# Altium PCB V2.PcbDoc
Units mm, origin at the board's own origin, x right, y up, seen from the top; angles counter-clockwise.
Board outline 54.06 x 30 mm, 4 copper layers (Top Layer, GND, VDD33, Bottom Layer), stack 0.568 mm thick; 59 components, 58 nets, 267 pads, 197 vias.
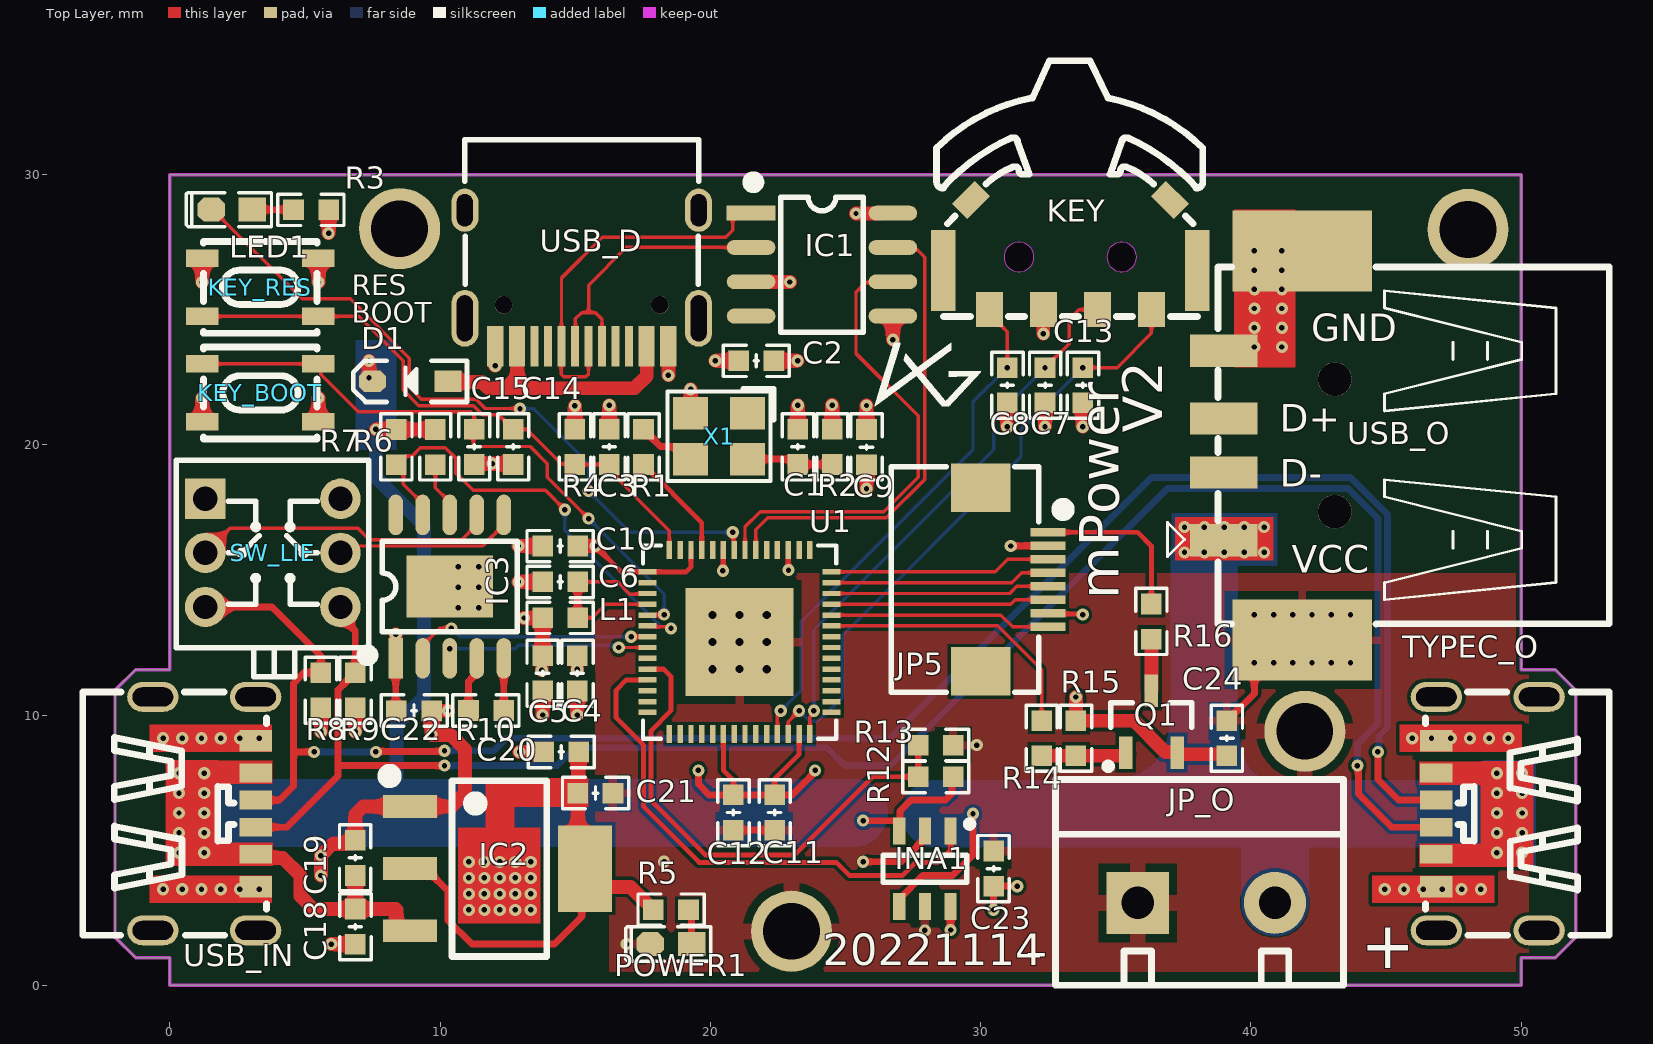
[diagram p0: Top Layer view]
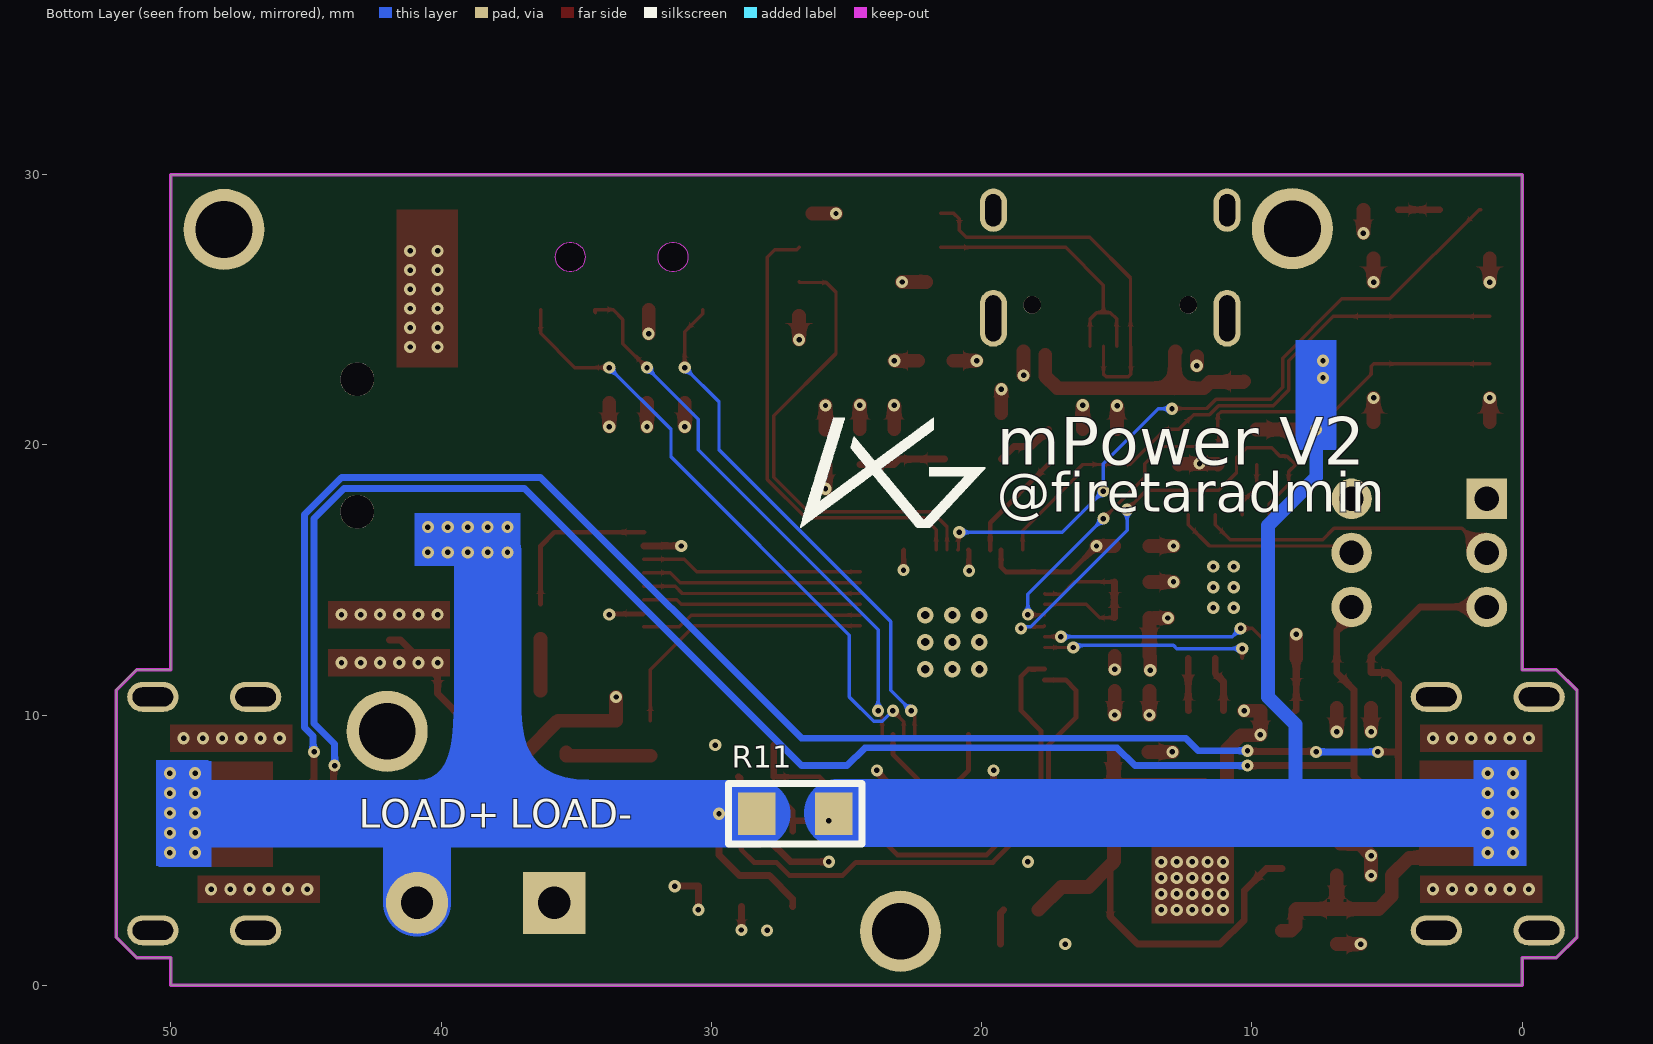
[diagram p1: Bottom Layer view, seen from below]
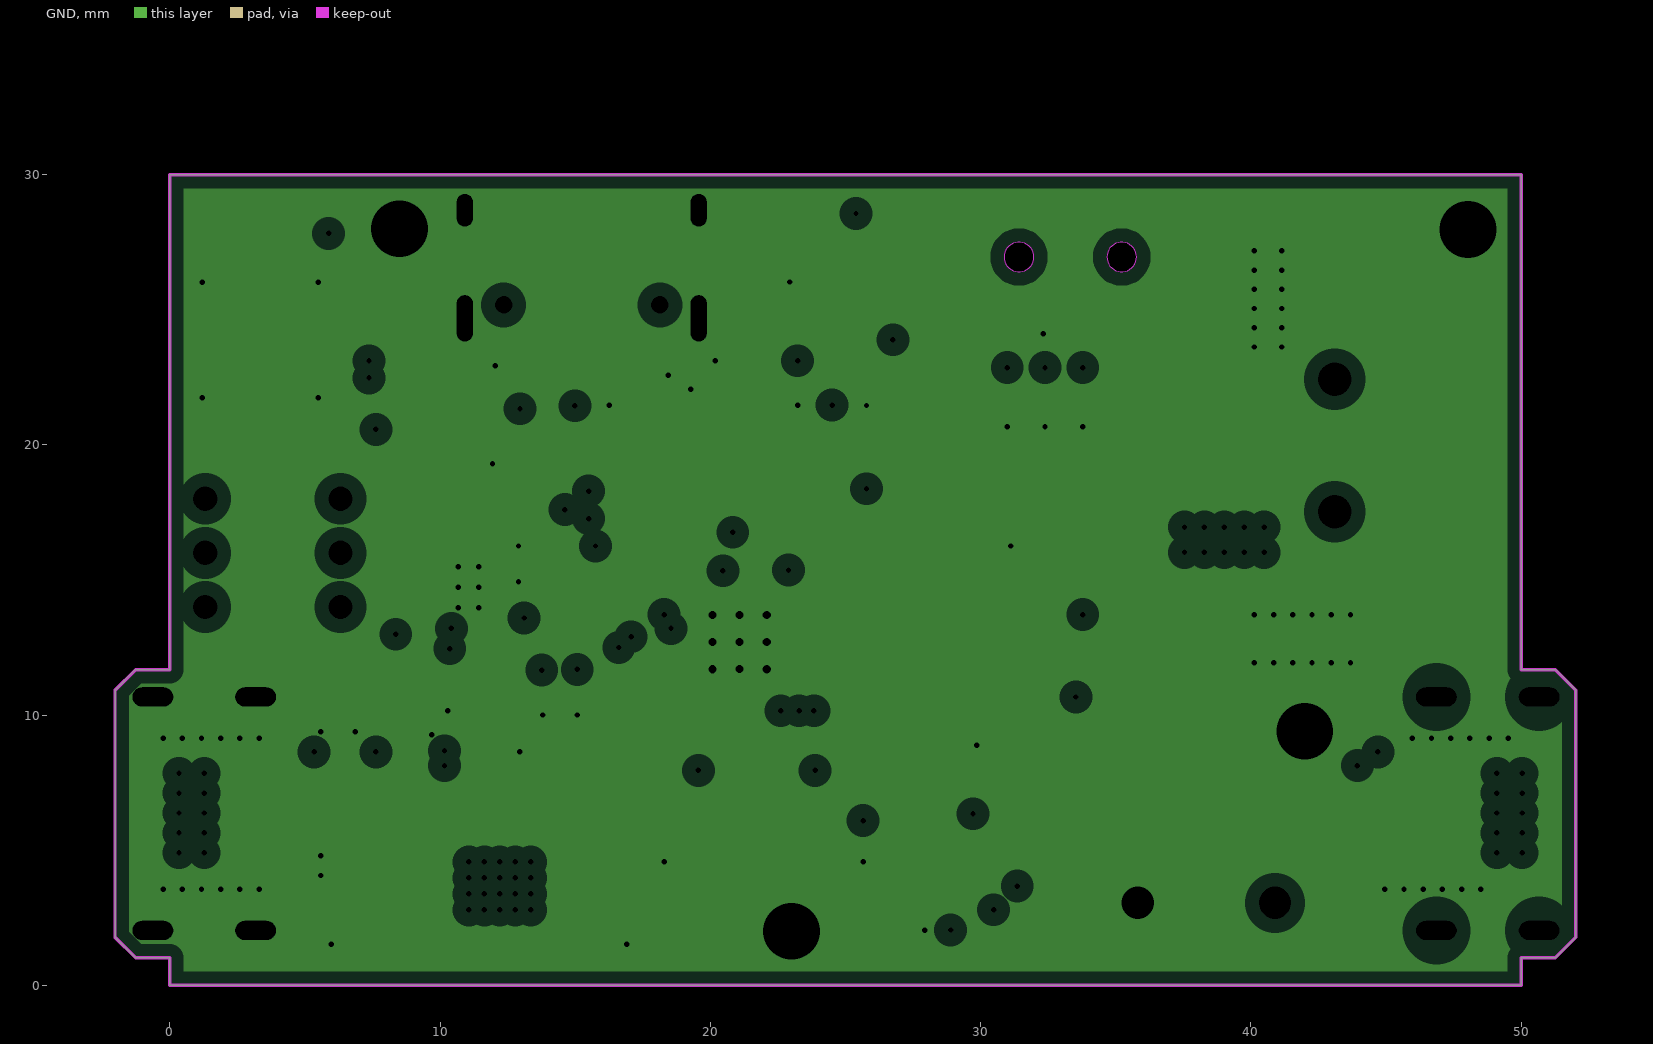
[diagram p2: GND, clearances drawn from the general rule]
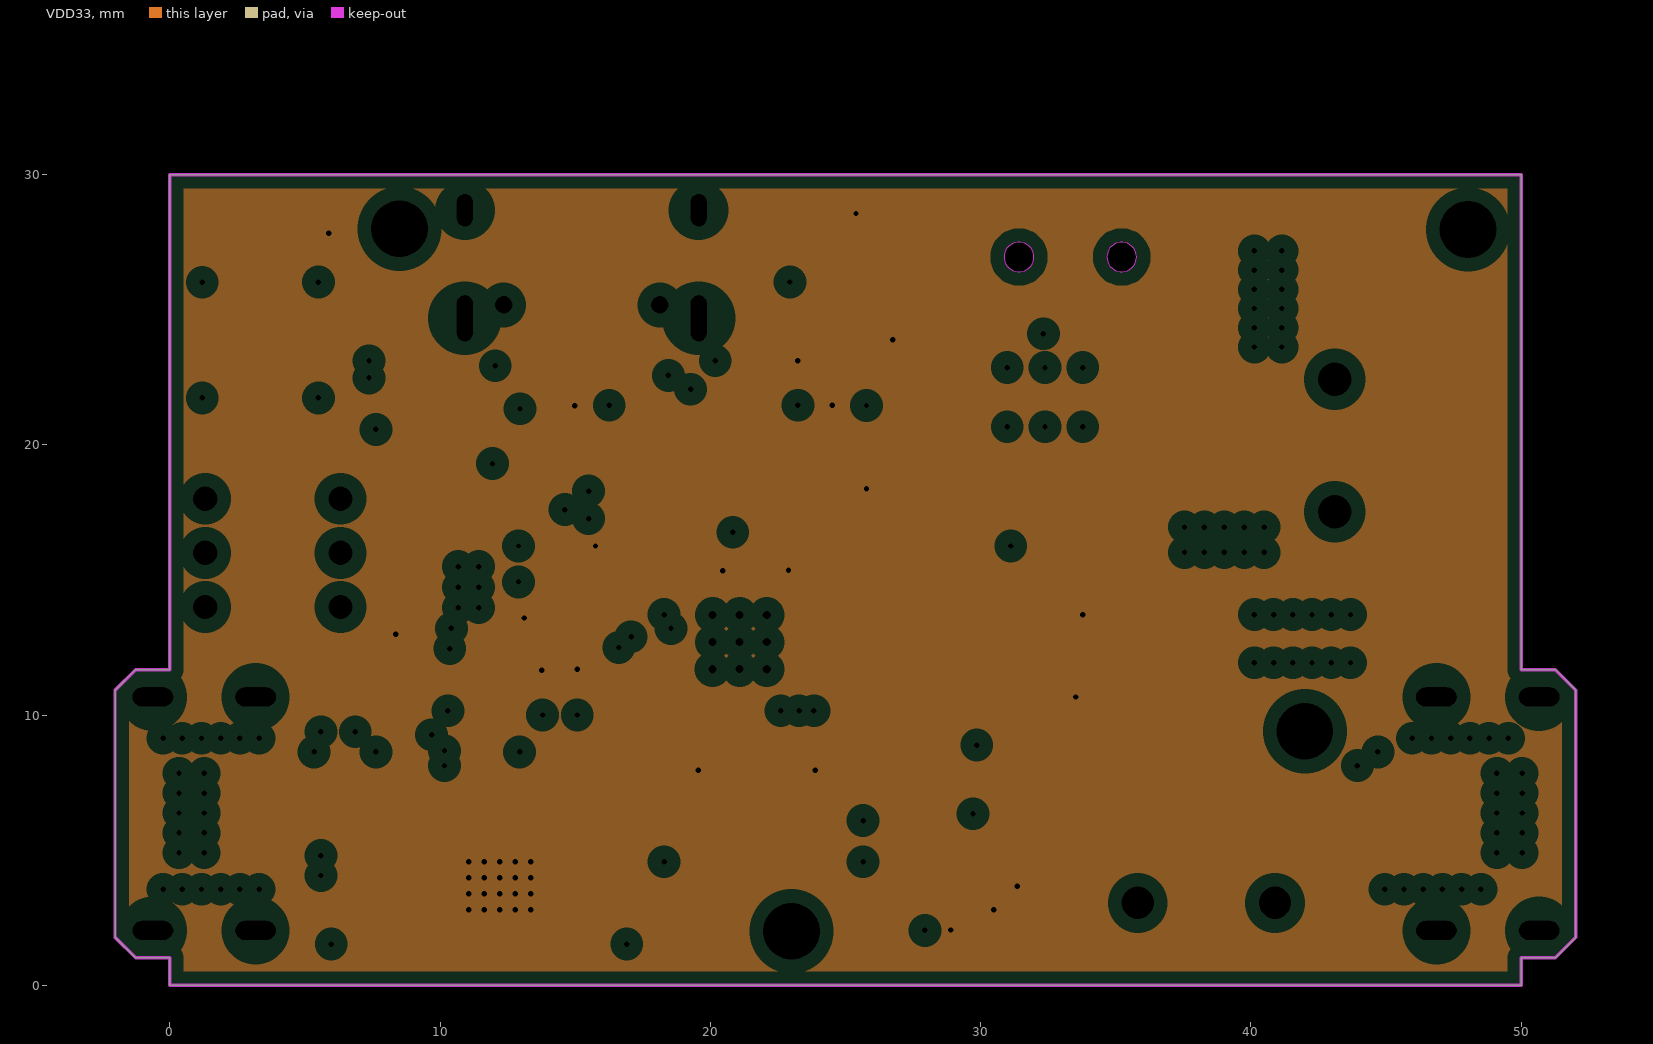
[diagram p3: VDD33, clearances drawn from the general rule]

## Layer stack, top to bottom
Top Solder: solder mask 0.0102, Solder Resist, Dk 3.5
Top Layer: signal copper 0.0356
Dielectric 2: prepreg 0.0711, PP-006, Dk 4.1
GND: plane copper 0.0175, net GND
Dielectric 1: dielectric 0.32, FR-4, Dk 4.8
VDD33: plane copper 0.0175, net VDD33
Dielectric 3: prepreg 0.0711, PP-006, Dk 4.1
Bottom Layer: signal copper 0.0356
Bottom Solder: solder mask 0.0102, Solder Resist, Dk 3.5

## Board outline
-1.27,1.016 0,1.016 0,0 50,0 50,1.016 51.27,1.016 52.032,1.778 52.032,10.922 51.27,11.684 50,11.684 50,30 0,30 0,11.684 -1.27,11.684 -2.032,10.922 -2.032,1.778

## Design rules (kind name [scope] priority, off if disabled: settings)
Clearance [All] p1: gap=0.127 ignorepadtopadclearanceinfootprint=TRUE except(0: Arc-Text Track-Text SMDPad-Text THPad-Text Via-Text Fill-Text Poly-Text Region-Text Text-Text; 0.1: Arc-Arc Arc-Track Arc-SMDPad Arc-THPad Arc-Via Arc-Hole Track-Track Track-SMDPad Track-THPad Track-Via Track-Hole SMDPad-SMDPad SMDPad-THPad SMDPad-Via SMDPad-Hole THPad-THPad THPad-Via THPad-Hole Via-Via Via-Hole Fill-Hole Poly-Hole Region-Hole Text-Hole)
PlaneClearance [All] p1: clearance=0.508
PlaneConnect [All] p1: pad.planeconnectstyle=Relief pad.reliefexpansion=0.508 pad.reliefentries=4 pad.reliefconductorwidth=0.3 pad.reliefairgap=0.3 via.planeconnectstyle=Direct via.reliefexpansion=0.508 via.reliefentries=4 via.reliefconductorwidth=0.254 via.reliefairgap=0.254
PolygonConnect [All] p1: thpad.connectstyle=Relief thpad.reliefconductorwidth=0.6 thpad.reliefentries=4 thpad.polygonreliefangle="90 Angle" thpad.airgapwidth=0.3 smdpad.connectstyle=Relief smdpad.reliefconductorwidth=0.3 smdpad.reliefentries=4 smdpad.polygonreliefangle="90 Angle" smdpad.airgapwidth=0.3 via.connectstyle=Direct via.reliefconductorwidth=0.6 via.reliefentries=4 via.polygonreliefangle="90 Angle" via.airgapwidth=0.3
RoutingVias [All] p1: holewidth=0.2 width=0.45 viastyle="Through Hole" minholewidth=0.2 minwidth=0.45 maxholewidth=0.711 maxwidth=1.27
SolderMaskExpansion [All] p1: expansion=0.102 istentingtop=FALSE
Width SIGNAL [InNetClass('signal')] p1: maxlimit=0.254 minlimit=0.127 preferedwidth=0.127
Width VCC [InNetClass('VCC')] p2: maxlimit=1 minlimit=0.127 preferedwidth=0.5
Width GND [InNetClass('GND')] p3: maxlimit=1 minlimit=0.127 preferedwidth=0.5
28 further rules are at their usual default settings.

## Classes and differential pairs
component class screen: C24 JP5 Q1 R14 R15 R16
component class power: C18 C19 C20 C21 IC2 POWER1 R5
component class mcu: C1 C2 C3 C4 C5 C6 C7 C8 C9 C10 C11 C12 C13 C14 C15 IC1 KEY KEY_BOOT KEY_RES L1 LED1 R1 R2 R3 R4 U1 X1
component class interface: C22 C23 D1 IC3 INA1 JP_O R6 R7 R8 R9 R10 R11 R12 R13 SW_LIE TYPEC_O USB_D USB_IN USB_O

## Components (designator, comment, footprint, x,y, rotation, side; value= is the part's Value field where it differs from the comment)
C1 "10nF" "C 0603_L" 23.237,19.924 r90 top
C2 "0.1uF" "C 0603_L" 21.702,23.114 r0 top
C3 "1uF" "C 0603_L" 16.256,19.924 r90 top
C4 "1uF" "C 0603_L" 15.074,11.542 r90 top
C5 "0.1uF" "C 0603_L" 13.79,11.542 r90 top
C6 "0.1uF" "C 0603_L" 14.439,14.929 r0 top
C7 "0.1uF" "C 0603_L" 32.385,22.21 r90 top
C8 "0.1uF" "C 0603_L" 30.988,22.21 r90 top
C9 "1uF" "C 0603_L" 25.777,19.918 r270 top
C10 "0.1uF" "C 0603_L" 14.439,16.256 r0 top
C11 "0.1uF" "C 0603_L" 22.377,6.394 r90 top
C12 "100pF" "C 0603_L" 20.853,6.394 r90 top
C13 "0.1uF" "C 0603_L" 33.782,22.21 r90 top
C14 "0.1uF" "C 0603_L" 12.7,19.924 r90 top
C15 "0.1uF" "C 0603_L" 11.258,19.924 r90 top
C18 "10uF" "C 0603_L" 6.858,2.174 r90 top
C19 "0.1uF" "C 0603_L" 6.858,4.714 r270 top
C20 "0.1uF" "C 0603_L" 14.478,8.636 r0 top
C21 "10uF" "C 0603_L" 15.748,7.112 r180 top
C22 "1uF" "C 0603_L" 9.032,10.16 r180 top
C23 "0.1uF" "C 0603_L" 30.48,4.318 r270 top
C24 "0.1uF" "C 0603_L" 39.116,9.138 r270 top
D1 "1N5819 SS14" SOD-323 8.89,22.352 r180 top
IC1 "CH340N" SOP8_N 24.13,26.67 r0 top
IC2 "SSP1117-3.3" SOT223_N 12.192,4.318 r270 top locked
IC3 "CH224K" ESSOP10-1mm 10.356,14.753 r90 top locked
INA1 "INA181A1" SOT23-6L 27.94,4.318 r180 top
JP5 "FPC0.5-8P" "FPC0.5 2H-WS-8P" 30,15.017 r270 top locked
JP_O "OUTPUT" KF301-5.0-2P 40.894,3.048 r0 top locked
KEY "TM-2023" TM-2023 30.322,25.003 r0 top locked
KEY_BOOT "Boot" TSMD-3*4*2.5 3.302,21.844 r180 top
KEY_RES "RES" TSMD-3*4*2.5 3.39,25.908 r0 top
L1 "2nH" "L 0603-L" 14.439,13.602 r0 top
LED1 "Blue" "LED 0603B" 2.286,28.702 r180 top
POWER1 "RED" "LED 0603R" 18.542,1.524 r180 top
Q1 "SS8550" SOT23-3N 36.322,9.756 r0 top
R1 "0R" "R 0603_L" 17.526,19.924 r90 top
R2 "0R" "R 0603_L" 24.507,19.924 r90 top
R3 "1K" "R 0603_L" 5.222,28.702 r0 top
R4 "10K" "R 0603_L" 14.986,19.924 r90 top
R5 "1K" "R 0603_L" 18.542,2.794 r180 top
R6 "10K(NC)" "R 0603_L" 9.824,19.918 r270 top
R7 "10K" "R 0603_L" 8.382,19.918 r270 top
R8 "10K" "R 0603_L" 5.588,10.922 r90 top
R9 "10K" "R 0603_L" 6.858,10.922 r90 top
R10 "0R(NC)" "R 0603_L" 11.698,10.168 r0 top
R11 "0.01R" "R 1206_L" 26.924,6.35 r180 bottom
R12 "91K(%1)" "R 0603_L" 28.342,7.717 r0 top
R13 "10K" "R 0603_L" 28.336,8.89 r180 top
R14 "1K" "R 0603_L" 32.258,9.144 r90 top
R15 "10K" "R 0603_L" 33.528,9.144 r90 top
R16 "10R" "R 0603_L" 36.322,13.462 r270 top
SW_LIE "KET 7X7" "KFT DIP-7X7" 3.81,16.002 r270 top locked
TYPEC_O "OUTPUT TYPEC" TYPE-C-6P 48.768,6.35 r90 top locked
U1 "ESP32-S2FH4" QFN-56_L7.0-W7.0-P0.40-TL-EP4.0 21.082,12.7 r0 top locked
USB_D "UART0" TYPE-C-16P 15.24,26.162 r90 top locked
USB_IN "INPUT TYPEC" TYPE-C-6P 1.27,6.35 r270 top locked
USB_O "OUTPUT A" USB-A/S_B 43.106,19.976 r90 top locked
X1 "40M" "OSC 3225-4P" 20.32,20.32 r180 top

## Footprints (in the part's own frame and the unit in brackets; to place one, negate y for a bottom-side part, rotate by r counter-clockwise, add the part's x,y. Pads: shape width x height; smd on the part's side, far side on the other; paste and mask are expansions set on the pad)
"C 0603_L" [mil] "无极性贴片电容"
  rect 30x30 smd: 1(-25.59,0) 2(25.59,0)
  silkscreen extent -48,-23 48,23, body extent -31,-16 31,16, height 32
ESSOP10-1mm [mm]
  rect 2.3x3.2 smd: 0(0,0)
  rect 1.5x0.55 smd: 1(-2.652,2)
  oval 1.5x0.55 smd: 2(-2.652,1) 3(-2.652,0) 4(-2.652,-1) 5(-2.652,-2) 6(2.652,-2) 7(2.652,-1) 8(2.652,0) 9(2.652,1) 10(2.652,2)
  silkscreen extent -2.69,-2.5 1.68,3.2, body extent -3,-2.45 3,2.45, height 1.55
"FPC0.5 2H-WS-8P" [mm] "长：8.2mm，宽：5.2mm，高：2mm"
  rect 1.8x2.2 smd: 0(-3.4,0) 0(3.4,0)
  rect 0.3x1.3 smd: 1(-1.75,2.497) 2(-1.25,2.497) 3(-0.75,2.497) 4(-0.25,2.497) 5(0.25,2.497) 6(0.75,2.497) 7(1.25,2.497) 8(1.75,2.497)
  silkscreen extent -4.17,-3.3 4.17,3.23, body extent -4.1,-3.15 4.1,2.85, height 2
KF301-5.0-2P [mm] "可拼接端子/6A"
  rect 2.3x2.3 hole 1.2: 1(-5.08,0)
  round 2.3 hole 1.2: 2(0,0)
  silkscreen extent -8.13,-3.05 2.54,4.57, body extent -7.95,-3 2.55,4.6, height 10.05
"KFT DIP-7X7" [mm] "自锁开关，规格：7*7mm"
  rect 1.5x1.5 hole 0.9: 1(-2,-2.5)
  round 1.5 hole 0.9: 2(0,-2.5) 3(2,-2.5) 4(2,2.5) 5(0,2.5) 6(-2,2.5)
  silkscreen extent -3.42,-3.58 4.58,3.56, body extent -3.5,-3.5 3.5,3.5, height 11.2
"L 0603-L" [mil]
  rect 30x30 smd: 1(-25.59,0) 2(25.59,0)
  silkscreen extent -48,-23 48,23, body extent -31,-16 31,16, height 31
"LED 0603B" [mil] "蓝色0603LED"
  rect 40x35 smd: 1(-30,0)
  oct 40x35 smd: 2(30,0)
  silkscreen extent -58,-25 66,25, body extent -31,-16 32,16, height 24
"LED 0603R" [mil] "红色0603LED"
  rect 40x35 smd: 1(-30,0)
  oct 40x35 smd: 2(30,0)
  silkscreen extent -58,-25 66,25, body extent -32,-16 31,16, height 18
"OSC 3225-4P" [mm] "3.2*2.5*0.7mm(长宽高)"
  rect 1.3x1.2 smd: 1(-1.05,-0.85) 2(1.05,-0.85) 3(1.05,0.85) 4(-1.05,0.85)
  silkscreen extent -2.03,-1.75 1.91,1.65, body extent -1.6,-1.25 1.6,1.25, height 0.7
QFN-56_L7.0-W7.0-P0.40-TL-EP4.0 [mm]
  rect 0.665x0.2 smd mask+0.051: 1(-3.408,2.6) 2(-3.408,2.2) 3(-3.408,1.8) 4(-3.408,1.4) 5(-3.408,1) 6(-3.408,0.6) 7(-3.408,0.2) 8(-3.408,-0.2) 9(-3.408,-0.6) 10(-3.408,-1) 11(-3.408,-1.4) 12(-3.408,-1.8) 13(-3.408,-2.2) 14(-3.408,-2.6) 29(3.407,-2.6) 30(3.407,-2.2) 31(3.407,-1.8) 32(3.407,-1.4) 33(3.407,-1) 34(3.407,-0.6) 35(3.407,-0.2) 36(3.407,0.2) 37(3.407,0.6) 38(3.407,1) 39(3.407,1.4) 40(3.407,1.8) 41(3.407,2.2) 42(3.407,2.6)
  rect 0.2x0.665 smd mask+0.051: 15(-2.6,-3.407) 16(-2.2,-3.407) 17(-1.8,-3.407) 18(-1.4,-3.407) 19(-1,-3.407) 20(-0.6,-3.407) 21(-0.2,-3.407) 22(0.2,-3.407) 23(0.6,-3.407) 24(1,-3.407) 25(1.4,-3.407) 26(1.8,-3.407) 27(2.2,-3.407) 28(2.6,-3.407) 43(2.6,3.408) 44(2.2,3.408) 45(1.8,3.408) 46(1.4,3.408) 47(1,3.408) 48(0.6,3.408) 49(0.2,3.408) 50(-0.2,3.408) 51(-0.6,3.408) 52(-1,3.408) 53(-1.4,3.408) 54(-1.8,3.408) 55(-2.2,3.408) 56(-2.6,3.408)
  rect 4x4 smd mask+0.051: 57(0,0)
  silkscreen extent -4.11,-3.58 3.58,3.58, body extent -3.49,-3.49 3.51,3.51, height 0.86
"R 0603_L" [mil] "1/10W贴片电阻"
  rect 30x30 smd: 1(-25.59,0) 2(25.59,0)
  silkscreen extent -48,-23 48,23, body extent -31,-16 32,16, height 16
"R 1206_L" [mil] "1/4W贴片电阻"
  rect 55x62 smd: 1(-55.12,0) 2(57.09,0)
  silkscreen extent -96,-44 98,44, body extent -63,-31 63,31, height 22
SOD-323 [mm] "1.8x1.3X0.9mm（长宽高，不包括引脚）"
  rect 1x0.8 smd: 1(-1.4,0)
  oct 1x0.8 smd: 2(1.4,0)
  silkscreen extent -2.11,-0.76 2.11,0.76, body extent -1.34,-0.63 1.31,0.67, height 1
SOP8_N [mm] "5*6*1.8mm（长宽高）"
  rect 1.8x0.55 smd: 1(-2.625,1.905)
  oval 1.8x0.55 smd: 2(-2.625,0.635) 3(-2.625,-0.635) 4(-2.625,-1.905) 5(2.625,-1.905) 6(2.625,-0.635) 7(2.625,0.635) 8(2.625,1.905)
  silkscreen extent -2.69,-2.5 1.52,3.2, body extent -3,-2.5 3,2.5, height 1.9
SOT23-3N [mm] "3x1.3x1mm(长宽高)"
  rect 0.5x1.2 smd: 1(-0.95,-1.143) 2(0.95,-1.143) 3(0,1.143)
  silkscreen extent -1.72,-1.78 1.5,0.7, body extent -1.5,-1.2 1.5,1.2, height 1.05
SOT23-6L [mm] "3x1.6x1.1mm(长宽高)"
  rect 0.45x1 smd: 1(-0.95,-1.397) 2(0,-1.397) 3(0.95,-1.397) 4(0.95,1.397) 5(0,1.397) 6(-0.95,1.397)
  silkscreen extent -1.78,-1.78 1.55,0.51, body extent -1.5,-1.4 1.5,1.4, height 1.15
SOT223_N [mm] "6.4x7x1.6mm(长宽高)"
  rect 0.85x2 smd: 1(-2.3,-3.302) 2(0,-3.302) 3(2.3,-3.302)
  rect 3.2x2 smd: 2(0,3.175)
  silkscreen extent -3.63,-4.26 3.25,1.75, body extent -3.25,-3.51 3.25,3.51, height 1.65
TM-2023 [mm] "三角拨轮开关按键"
  rect 1x1.3 smd mask+0.051: 1(0,0) 2(6,0) C(2,0) T(4,0)
  rect 0.9x3 smd mask+0.051: 3(-1.7,1.45) 4(7.7,1.45)
  round 1.1 hole 1.1: 3(1.1,1.95) 3(4.9,1.95)
  rect 1.2x0.8 smd rot 135 mask+0.051: 5(6.68,4.06)
  rect 1.2x0.8 smd rot 45 mask+0.051: 6(-0.68,4.06)
  Keep-Out Layer board cut-out: 5.45,1.95 5.395,2.189 5.243,2.38 5.022,2.486 4.777,2.486 4.557,2.38 4.404,2.189 4.35,1.95 4.35,1.95 4.404,1.711 4.557,1.52 4.777,1.414 5.022,1.414 5.243,1.52 5.395,1.711 5.45,1.95
  Keep-Out Layer board cut-out: 1.65,1.95 1.595,2.189 1.443,2.38 1.222,2.486 0.977,2.486 0.757,2.38 0.604,2.189 0.55,1.95 0.55,1.95 0.604,1.711 0.757,1.52 0.977,1.414 1.222,1.414 1.443,1.52 1.595,1.711 1.65,1.95
  silkscreen extent -1.95,-0.25 7.9,9.22, body extent -1.98,-0.32 7.82,9.27, height 2.3
TSMD-3*4*2.5 [mm] "TS-3*4*2.5mm微触按键"
  rect 1.2x0.65 smd: 1(-2.194,0.997) 2(2.106,0.997) 3(-2.194,-1.153) 4(2.106,-1.153)
  silkscreen extent -2.14,-1.78 2.06,1.62, body extent -2.29,-1.78 2.21,1.62, height 2.5
TYPE-C-6P [mm]
  oval 1.1x1.9 hole 0.701 slot 1.501 at 90 deg mask+0.051: 7(-4.321,-1.9) 7(-4.321,1.9) 7(4.321,-1.9) 7(4.321,1.9)
  rect 0.701x1.199 smd mask+0.051: A5(-0.5,1.9) A9(1.501,1.9) B5(0.5,1.9) B9(-1.501,1.9)
  rect 0.8x1.199 smd mask+0.051: A12(2.7,1.9) B12(-2.7,1.9)
  silkscreen extent -4.5,-4.5 4.5,2.3, body extent -4.47,-4.5 4.47,2.3, height 3.16
TYPE-C-16P [mm]
  round 0.65 hole 0.65: 0(-0.98,2.89) 0(-0.98,-2.89)
  oval 1.6x1 hole 0.6 slot 1.2 at 0 deg: 1(2.52,4.325) 2(2.52,-4.325)
  oval 2.1x1 hole 0.6 slot 1.7 at 0 deg: 3(-1.48,-4.325) 4(-1.48,4.325)
  rect 1.5x0.3 smd: A1(-2.52,-3.35) A4(-2.52,-2.55) A5(-2.52,-1.25) A6(-2.52,-0.25) A7(-2.52,0.25) A8(-2.52,1.25) A9(-2.52,2.55) A12(-2.52,3.35) B1(-2.52,3.05) B4(-2.52,2.25) B5(-2.52,1.75) B6(-2.52,0.75) B7(-2.52,-0.75) B8(-2.52,-1.75) B9(-2.52,-2.25) B12(-2.52,-3.05)
  silkscreen extent -0.22,-4.33 5.12,4.33, body extent -2.43,-4.53 5.32,4.42, height 3.32
USB-A/S_B [mm] "A型贴片母头，"
  rect 1.2x2.5 smd: 1(-3.5,4.1) 2(-1,4.1) 3(1,4.1) 4(3.5,4.1)
  rect 3x5.15 smd: 4(-7.2,1.2) 4(7.2,1.2)
  round 1.25 hole 1.25 unplated: 7(-2.45,0) 8(2.45,0)
  silkscreen extent -6.6,-10.16 6.61,6.19, body extent -7.75,-9.9 7.75,4.8, height 6.9

## Part data
C1 C2 C3 C4 C5 C6 C7 C8 C9 C10 C11 C12 C13 C14 C15 C18 C19 C20 C21 C22 C23 C24: library part C, "无极性贴片电容", BOM名称=无极性贴片电容, 学习资源=www.ooocke.com, 版权归属=源创客
D1: library part 1N5819, "肖特基二极管", BOM名称=肖特基二极管, 学习资源=www.ooocke.com, 属性=40V/2A, 版权归属=源创客
IC1: "USB 转串口芯片 CH330/CH340N"
IC2: "LDO 3.3V  1A  压差1.3V （x~20V  极限30V）"
IC3: "支持 4V 至 22V 输入电压 / l 支持 PD3.0/2.0，BC1.2 等快充协议 / l 支持 USB Type-C PD，支持正反插检测与自动切换 / l 支持 E-Mark 模拟，自动检测 VCONN，支持 100W 功率"
INA1: "电流检测"
JP5: library part FPC-8P, "FPC连接器", BOM名称=FPC连接器, 学习资源=www.ooocke.com, 版权归属=源创客
JP_O: library part "Header 2", "2P接插件", BOM名称=2P接插件, 学习资源=www.ooocke.com, 版权归属=源创客
KEY: "三角拨轮开关"
KEY_BOOT KEY_RES: library part TS-3x4x2.5mm-4pin, "TS-3x4x2.5mm-4pin 轻触按键"
L1: library part L, "小功率贴片电感", BOM名称=小功率贴片电感, 学习资源=www.ooocke.com, 版权归属=源创客
LED1 POWER1: library part LED-SMD, "贴片LED", BOM名称=贴片LED, 学习资源=www.ooocke.com, 版权归属=源创客
Q1: library part 8550-SMD, "高频放大-PNP型", BOM名称=高频放大-PNP型, 学习资源=www.ooocke.com, 属性="40V 1.5A 1W 100MHZ", 版权归属=源创客
R1 R2 R3 R4 R5 R6 R7 R8 R9 R10 R12 R13 R14 R15 R16: library part R, "贴片电阻", BOM名称=贴片电阻, 学习资源=www.ooocke.com, 版权归属=源创客
R11: library part R, "1206 合金采样电阻 1 W 贴片电阻", BOM名称=贴片电阻, 学习资源=www.ooocke.com, 版权归属=源创客
SW_LIE: "7*7自锁开关", BOM名称=7*7自锁开关, 学习资源=www.ooocke.com, 版权归属=源创客
TYPEC_O USB_IN: library part "TYPE-C 6P", Current Rating - Power (Max)=-, JLCPCB Part Class="Extended Part", LCSC Part Name="Type-C 母头 6pin简易款四脚端子SMT+DIP 停产", Manufacturer="SHOU HAN(首韩)", Operating Temperature Range=-40~+85, Add into BOM=yes, Connector Type=Type-C, Convert to PCB=yes, Datasheet=https://atta.szlcsc.com/upload/public/pdf/source/20201203/C456012_B13F72044DF846EDBE9BDD0D1D3CD166.pdf, Device="TYPE-C 6P", Gender=母座, Manufacturer Part="TYPE-C 6P", Mounting Style=卧贴, Number of Contacts=6, Number of Ports=1, Standard=-, Supplier=LCSC, Supplier Footprint=SMD, Supplier Part=C456012, Symbol="TYPE-C 6P"
U1: "单核 32 位 LX7 微处理器的 SoC, 240Mhz , 4MB Flash"
USB_D: library part TypeC-16P, "Type-C 16Pin"
USB_O: library part USB-A/S, "USB-A型母接口", BOM名称=USB-A型母接口, 学习资源=www.ooocke.com, 版权归属=源创客
X1: library part XTAL-ACT-4P, "4脚有源晶振", BOM名称=4脚有源晶振, 学习资源=www.ooocke.com, 版权归属=源创客

## Free pads (board coordinates)
  round 3 hole 2.1: 2(8.5,28) 2(23,2) 2(42,9.4) 2(48.038,27.972)

## Via types
v1: diameter 0.45, hole 0.2, Top Layer to Bottom Layer, tented both sides, 188 vias
v2: diameter 0.61, hole 0.305, Top Layer to Bottom Layer, tented both sides, 9 vias

## Nets (pads, with @x,y where several pads share a name; then routed paths per layer and width w, separated by ;. In a path a pad name is that pad's centre, name@x,y a point inside that pad or via, vN(x,y) a via of type N, cw(c..) or ccw(c..) an arc to the next point about the centre after c; other vN are vias at no path point)
CC1: R8.2 SW_LIE.3 TYPEC_O.B5 USB_IN.A5 | length 70
  Top Layer w0.254: SW_LIE.3 3.778,14.002 5.588,12.192 R8.2 4.968,11.572 4.572,11.176 4.572,8.568 ; USB_IN.A5 4.056,6.85 4.572,7.366 4.572,8.568 ; v1(5.334,8.636) 4.64,8.636 4.572,8.568 ; v1(7.62,8.636) 7.641,8.657 10.139,8.657 v1(10.16,8.678) ; v1(44.704,8.636) 44.704,7.62 45.474,6.85 TYPEC_O.B5
  Bottom Layer w0.254: v1(5.334,8.636) v1(7.62,8.636) ; v1(10.16,8.678) 11.98,8.678 12.446,9.144 26.67,9.144 36.322,18.796 43.681,18.796 45.058,17.419 45.058,9.539 44.742,9.222 44.742,8.674 v1(44.704,8.636)
CC1_LIE: IC3.7 SW_LIE.2 | length 11.2
  Top Layer w0.127: SW_LIE.2 2.224,16.916 6.96,16.916 7.384,16.492 10.803,16.492 11.356,17.045 IC3.7
CC2: R9.2 SW_LIE.4 TYPEC_O.A5 USB_IN.B5 | length 68.3
  Top Layer w0.254: USB_IN.B5 4.326,5.85 6.223,7.747 6.223,8.209 ; SW_LIE.4 6.31,13.665 6.858,13.117 R9.2 6.223,10.937 6.223,8.209 ; v1(10.16,8.128) 6.304,8.128 6.223,8.209 ; v1(43.942,8.128) 43.98,8.09 43.98,7.074 45.204,5.85 TYPEC_O.A5
  Bottom Layer w0.254: v1(10.16,8.128) 14.324,8.128 14.986,8.79 24.317,8.79 24.979,8.128 26.67,8.128 36.92,18.378 43.598,18.378 44.704,17.272 44.704,9.686 43.942,8.924 v1(43.942,8.128)
CC2_LIE: IC3.6 SW_LIE.5 | length 6.8
  Top Layer w0.127: SW_LIE.5 6.564,16.256 11.567,16.256 12.356,17.045 IC3.6
"CH340N D+": IC1.1 USB_D.A6 USB_D.B6 | length 14
  Top Layer w0.127: USB_D.A6 15.49,22.61 15.396,22.515 14.569,22.515 14.478,22.606 14.478,23.63 USB_D.B6 14.49,26.174 16.002,27.686 20.574,27.686 20.828,27.94 20.828,28.363 21.04,28.575 IC1.1
"CH340N D-": IC1.2 USB_D.A7 USB_D.B7 | length 10.8
  Top Layer w0.127: USB_D.A7 15.005,23.657 15.005,24.661 15.236,24.892 15.492,24.892 ; USB_D.B7 15.99,24.65 15.748,24.892 15.492,24.892 ; IC1.2 16.891,27.305 15.492,25.906 15.492,24.892
CHIP_PU: C3.1 C14.2 KEY_RES.3 KEY_RES.4 R4.1 U1.56 | length 22.1
  Top Layer w0.127: KEY_RES.3 KEY_RES.4 6.995,24.755 8.636,23.114 8.636,22.031 9.213,21.454 11.233,21.454 11.568,21.118 12.155,21.118 C14.2 13.208,20.574 14.489,19.293 14.967,19.293 R4.1 C3.1 16.529,19.001 16.529,18.777 18.034,17.272 18.482,16.824 U1.56
GND: C1.2 C2.1 C3.2 C4.1 C5.1 C6.1 C7.1 C8.1 C9.1 C10.1 C11.1 C12.1 C13.1 C14.1 C15.1 C18.1 C19.1 C20.1 C21.1 C22.1 C23.1 C24.1 IC1.3 IC2.1 IC3.0 INA1.2 INA1.5 JP5.2 JP_O.1 KEY.C KEY_BOOT.1 KEY_BOOT.2 KEY_RES.1 KEY_RES.2 pad.2 POWER1.2 R8.1 R9.1 R13.1 TYPEC_O.A12 TYPEC_O.B12 U1.57 USB_D.1 USB_D.2 USB_D.3 USB_D.4 USB_D.A1 USB_D.A12 USB_D.B1 USB_D.B12 USB_IN.7 USB_IN.A12 USB_IN.B12 USB_O.4 X1.2 | length 44.6
  Top Layer w0.254: C12.1 C11.1 ; v1(25.654,4.572) 27.072,4.572 27.94,5.44 INA1.2 ; v1(31.115,16.256) 31.12,16.261 32.492,16.261 JP5.2 ; C24.1 40.132,10.804 40.132,11.403 41.505,12.776 USB_O.4@41.906,12.776
  Top Layer w0.508: KEY_BOOT.2 v1(1.196,21.736) ; v1(1.196,26.016) KEY_RES.1 ; KEY_BOOT.1 v1(5.496,21.736) ; v1(5.496,26.021) KEY_RES.2 ; v1(5.588,4.064) v1(5.588,4.801) 6.024,5.237 6.731,5.237 C19.1 6.858,6.32 7.156,6.618 IC2.1 10.428,6.618 10.922,7.112 10.922,8.735 10.4,9.257 9.696,9.257 v1(9.682,9.271) C22.1 v1(10.287,10.16) ; v1(5.588,9.383) R8.1 ; v1(5.969,1.524) C18.1 ; v1(6.858,9.383) R9.1 ; C15.1 11.288,19.304 v1(11.938,19.304) 12.67,19.304 C14.1 ; USB_D.A12@12.028,23.267 12.028,22.936 v1(12.038,22.927) ; v1(12.9,14.929) C6.1 ; v1(12.9,16.256) C10.1 ; v1(12.939,8.636) C20.1 ; v1(13.79,10.003) C5.1 ; v1(15.075,10.003) C4.1 ; C3.2 v1(16.256,21.463) ; v1(18.448,22.571) USB_D.A1@18.448,23.46 ; X1.2 v1(19.27,22.059) ; v1(20.178,23.114) C2.1 ; IC1.3@22.055,26.026 v1(22.944,26.026) ; C1.2 v1(23.237,21.463) ; C9.1 v1(25.777,21.457) ; v1(30.988,20.671) C8.1 ; v1(32.322,24.114) KEY.C ; v1(32.385,20.671) C7.1 ; v1(33.782,20.671) C13.1
  other v1: 16.906,1.524 27.94,2.032 -0.254,3.556 0.457,3.556 1.168,3.556 1.88,3.556 2.591,3.556 3.302,3.556 44.958,3.556 45.669,3.556 46.38,3.556 47.092,3.556 47.803,3.556 48.514,3.556 18.288,4.572 29.86,8.89 -0.254,9.144 0.457,9.144 1.168,9.144 1.88,9.144 2.591,9.144 3.302,9.144 45.974,9.144 46.685,9.144 47.396,9.144 48.108,9.144 48.819,9.144 49.53,9.144 40.132,11.938 40.843,11.938 41.554,11.938 42.266,11.938 42.977,11.938 43.688,11.938 40.132,13.716 40.843,13.716 41.554,13.716 42.266,13.716 42.977,13.716 43.688,13.716 10.668,13.97 11.43,13.97 10.668,14.732 11.43,14.732 10.668,15.494 11.43,15.494 40.132,23.622 41.148,23.622 40.132,24.333 41.148,24.333 40.132,25.044 41.148,25.044 40.132,25.756 41.148,25.756 40.132,26.467 41.148,26.467 40.132,27.178 41.148,27.178
  other v2: 20.082,11.7 21.083,11.701 22.082,11.7 20.082,12.7 21.082,12.7 22.082,12.7 20.082,13.7 21.082,13.7 22.082,13.7
IO0/BOOT*: C15.2 KEY_BOOT.3 KEY_BOOT.4 U1.5 | length 23.2
  Top Layer w0.127: KEY_BOOT.4 KEY_BOOT.3 5.588,22.905 5.588,22.606 6.967,21.227 11.139,21.227 11.258,21.108 C15.2 11.229,20.545 11.229,20.013 11.303,19.939 13.335,19.939 13.97,19.304 13.97,18.796 v1(15.495,17.271) ; U1.5 17.682,13.708 18.28,13.708 v1(18.288,13.716)
  Bottom Layer w0.127: v1(15.495,17.271) 18.288,14.478 v1(18.288,13.716)
IO1/CFG1*: IC3.9 R7.2 U1.6 | length 17.1
  Top Layer w0.127: IC3.9 9.356,17.822 8.636,18.542 8.636,19.014 R7.2 8.7,19.585 8.957,19.585 9.264,19.893 10.193,19.893 10.568,19.517 10.568,18.971 11.219,18.319 13.897,18.319 v1(14.616,17.601) ; U1.6 17.711,13.264 18.486,13.264 v1(18.542,13.208)
  Bottom Layer w0.127: v1(14.616,17.601) 14.616,16.839 18.185,13.27 18.48,13.27 v1(18.542,13.208)
IO2/CFG2*: IC3.2 U1.7 | length 9.2
  Top Layer w0.127: IC3.2 9.356,12.576 9.988,13.208 v1(10.414,13.208) ; v1(17.066,12.9) U1.7
  Bottom Layer w0.127: v1(10.414,13.208) 10.722,12.9 v1(17.066,12.9)
IO3/CFG3*: IC3.3 U1.8 | length 7.8
  Top Layer w0.127: IC3.3 v1(10.356,12.462) ; v1(16.608,12.5) U1.8
  Bottom Layer w0.127: v1(10.356,12.462) 12.78,12.462 12.899,12.581 16.44,12.581 16.52,12.5 v1(16.608,12.5)
IO5/VSENSE*: R12.1 R13.2 U1.10 | length 19
  Top Layer w0.178: U1.10 18.272,11.7 18.542,11.43 18.542,10.16 17.804,9.422 17.804,6.834 19.812,4.826 23.114,4.826 26.005,7.717 R12.1
  Top Layer w0.254: R13.2 27.692,8.884 R12.1
IO6/ISENSE*: INA1.1 U1.11 | length 19.6
  Top Layer w0.178: U1.11 16.888,11.3 16.51,10.922 16.51,9.906 17.526,8.89 17.526,6.604 19.582,4.548 24.662,4.548 25.146,4.064 27.111,4.064 27.595,4.548 28.424,4.548 28.89,5.014 INA1.1
IO7: U1.12
IO8: U1.13
IO9: U1.14
IO10: U1.15
IO11: U1.16
IO12: U1.17
IO13: U1.18
IO14: U1.19
IO17/DAC1: U1.23
IO18/DAC2: U1.24
IO19/KEY1*: C8.2 KEY.1 U1.25 | length 19.5
  Top Layer w0.127: U1.25 22.482,9.949 22.606,10.073 v1(22.606,10.16) ; KEY.1 30.322,24.853 30.988,24.187 v1(30.988,22.86)
  Bottom Layer w0.127: v1(22.606,10.16) 23.368,10.922 23.368,13.462 29.718,19.812 29.718,21.59 v1(30.988,22.86)
IO20/KEY2*: C13.2 KEY.2 U1.26 | length 23
  Top Layer w0.127: U1.26@22.882,9.293 22.882,9.76 v1(23.282,10.16) ; v1(33.782,22.86) 35.052,22.86 36.322,24.13 KEY.2
  Bottom Layer w0.127: v1(23.282,10.16) 23.67,9.771 23.995,9.771 24.892,10.668 24.892,12.954 31.496,19.558 31.496,20.574 v1(33.782,22.86)
IO21/KEYT*: C7.2 KEY.T U1.28 | length 20.6
  Top Layer w0.127: U1.28 23.682,9.923 23.832,10.073 v1(23.832,10.16) ; v1(32.385,22.86) 33.274,23.749 33.274,24.638 33.639,25.003 KEY.T 34.322,24.924 KEY.T@34.29,24.892
  Bottom Layer w0.127: v1(23.832,10.16) 23.832,13.164 30.48,19.812 30.48,20.955 v1(32.385,22.86)
IO33/BLK*: R14.2 U1.37 | length 10.3
  Top Layer w0.127: U1.37 30.642,13.3 32.258,11.684 R14.2
IO34/SPICS*: JP5.8 U1.38 | length 8.2
  Top Layer w0.127: U1.38 30.75,13.7 31.183,13.267 JP5.8
IO35/SPICLK*: JP5.6 U1.39 | length 8.1
  Top Layer w0.127: U1.39 31.118,14.1 31.285,14.267 JP5.6
IO36/SPID*: JP5.5 U1.40 | length 8.1
  Top Layer w0.127: U1.40 31.077,14.5 31.344,14.767 JP5.5
IO37/SPIDC*: JP5.4 U1.41 | length 8.2
  Top Layer w0.127: U1.41 31.156,14.9 31.523,15.267 JP5.4
IO38/RES*: JP5.3 U1.42 | length 8.2
  Top Layer w0.127: U1.42 30.54,15.3 31.007,15.767 JP5.3
IO39/TCK*: U1.43
IO40/TDO*: U1.44
IO41/TDI*: U1.46
IO42/TMS*: U1.47
IO43/TXD0*: IC1.7 U1.48 | length 17.3
  Top Layer w0.127: U1.48 21.682,16.856 22.125,17.299 26.51,17.299 27.929,18.718 27.929,26.946 27.65,27.224 26.836,27.224 IC1.7
IO44/RXD0*: IC1.6 U1.49 | length 17.3
  Top Layer w0.127: U1.49 21.282,16.964 21.844,17.526 26.416,17.526 27.686,18.796 27.686,21.082 25.388,23.38 25.388,25.642 25.753,26.007 26.727,26.007 IC1.6
IO45/LED0*: LED1.2 U1.50 | length 26.2
  Top Layer w0.127: LED1.2 1.587,28.702 4.889,25.4 6.671,25.4 8.863,23.208 8.863,22.125 9.307,21.681 11.327,21.681 11.662,21.345 12.945,21.345 v1(12.954,21.336) ; v1(20.828,16.764) 20.855,16.737 20.855,16.135 U1.50
  Bottom Layer w0.127: v1(12.954,21.336) 13.462,21.336 15.494,19.304 v1(15.494,18.288) 17.018,16.764 v1(20.828,16.764)
LNA_IN: U1.2
LOUT+: INA1.4 JP_O.2 R11.1 TYPEC_O.A9 TYPEC_O.B9 USB_O.1 | length 39
  Top Layer w0.254: INA1.4@27.004,2.935 INA1.4 26.99,3.196 27.858,4.064 28.956,4.064 29.718,4.826 v1(29.718,6.35)
  Bottom Layer w2.5: R11.1 v1(29.718,6.35) 38.282,6.35 ; v1(38.282,16.021) 38.282,6.35 ; JP_O.2 40.894,6.289 40.833,6.35 ; v1(49.105,6.376) 49.079,6.35 40.833,6.35 ; 38.282,6.35 40.833,6.35
  other v1: 49.105,4.903 50.038,4.903 49.105,5.64 50.038,5.64 50.038,6.376 49.105,7.112 50.038,7.112 49.105,7.848 50.038,7.848 37.546,16.021 39.018,16.021 39.755,16.021 40.491,16.021 37.546,16.954 38.282,16.954 39.018,16.954 39.755,16.954 40.491,16.954
NetANT1_1: 
NetC1_1: C1.1 R2.1 X1.4 | length 3.2
  Top Layer w0.254: X1.4 23.041,19.47 C1.1 R2.1
NetIC3_4: IC3.4 R10.1 | length 2.1
  Top Layer w0.254: R10.1 11.048,11.238 11.356,11.546 IC3.4
NetIC3_5: IC3.5 R10.2 | length 1.9
  Top Layer w0.254: R10.2 12.356,10.176 IC3.5
NetIC3_8: IC3.8 R6.2 | length 2.1
  Top Layer w0.127: R6.2 9.824,18.413 10.356,17.881 IC3.8
NetJP5_1: JP5.1 R16.1 | length 6.2
  Top Layer w0.178: JP5.1 35.811,16.767 36.322,16.256 R16.1
NetLED1_1: LED1.1 R3.1 | length 1.5
  Top Layer w0.254: LED1.1 R3.1
NetPOWER1_1: POWER1.1 R5.1 | length 1.3
  Top Layer w0.254: R5.1 19.304,2.682 POWER1.1
NetQ1_1: Q1.1 R14.1 R15.1 | length 3.2
  Top Layer w0.508: R14.1 R15.1 35.368,8.494 35.372,8.498 Q1.1
NetQ1_3: Q1.3 R16.2 | length 1.9
  Top Layer w0.508: Q1.3 R16.2
NetR1_2: R1.2 X1.3 | length 2.2
  Top Layer w0.254: R1.2 18.157,19.943 18.797,19.943 X1.3
SENSE+: C18.2 C19.2 D1.2 IC2.3 INA1.3 R6.1 R7.1 R11.2 R12.2 USB_IN.A9 USB_IN.B9 | length 56.4
  Top Layer w0.254: v1(25.654,6.096) 25.662,6.088 27.017,6.088 27.017,6.443 27.432,6.858 28.702,6.858 28.948,7.104 28.948,7.673 R12.2 ; INA1.3 INA1.3@26.99,5.99
  Top Layer w0.508: USB_IN.A9 3.305,4.714 4.176,4.714 4.826,4.064 4.826,3.302 5.304,2.824 C18.2 ; C19.2 C18.2 ; v1(7.366,23.114) v1(7.366,22.476) D1.2 ; v1(7.62,20.574) 8.376,20.574 R7.1 R6.1 ; IC2.3 8.553,2.018 8.382,2.189 8.382,2.794 8.352,2.824 C18.2
  Bottom Layer w0.508: v1(7.62,20.574) 7.62,18.796 9.398,17.018 9.398,10.668 8.382,9.652 8.382,6.884 7.874,6.376
  Bottom Layer w2.5: v1(1.27,6.376) 7.874,6.376 R11.2@25.329,6.376
  other v1: 0.337,4.903 1.27,4.903 0.337,5.64 1.27,5.64 0.337,6.376 0.337,7.112 1.27,7.112 0.337,7.848 1.27,7.848
VDD3P3: C6.2 L1.2 U1.3 U1.4 | length 6.9
  Top Layer w0.127: L1.2 15.634,13.602 16.132,14.1 U1.4 ; C6.2 16.567,14.929 17.018,14.478 17.652,14.478 U1.3
  Top Layer w0.254: L1.2 C6.2
VDD5: D1.1 USB_D.A4 USB_D.A9 USB_D.B4 USB_D.B9 | length 9.8
  Top Layer w0.508: D1.1 10.32,22.322 11.552,22.322 11.776,22.098 12.855,22.098 ; USB_D.A9@12.823,23.452 12.855,23.421 12.855,22.098 ; USB_D.A4@17.648,23.335 17.648,22.55 17.197,22.098 12.855,22.098
VDD33: C2.2 C4.2 C5.2 C9.2 C10.2 C11.2 C12.2 C20.2 C21.2 C22.2 C23.2 C24.2 IC1.5 IC1.8 IC2.2 IC3.1 INA1.6 JP5.7 L1.1 Q1.2 R2.2 R3.2 R4.2 R5.2 R15.2 U1.1 U1.20 U1.27 U1.45 U1.51 U1.54 | length 58.2
  Top Layer w0.178: v1(15.748,16.256) 16.704,15.3 U1.1 19.11,15.3 19.282,15.472 U1.54 ; v1(20.462,15.341) 20.472,15.35 20.472,16.098 U1.51 ; U1.20 20.482,7.966 20.853,7.595 C12.2 ; C11.2 22.377,7.645 23.282,8.55 U1.27 ; U1.45 22.887,16.103 22.887,15.368 v1(22.892,15.363) ; v1@23.876,7.896 v1(23.876,7.951) ; JP5.7 32.522,13.741 33.757,13.741 v1(33.782,13.716)
  Top Layer w0.254: IC3.1 8.356,10.186 C22.2 ; IC2.2@8.89,4.318 9.465,4.318 10.279,3.504 10.279,2.421 11.176,1.524 14.224,1.524 15.24,2.54 15.24,4.191 IC2.2@15.367,4.318 ; v1(19.558,7.951) 19.558,7.443 19.956,7.044 C12.2 C11.2 23.025,7.044 v1@23.876,7.896 ; v1(28.89,2.047) INA1.6 ; v1(30.48,2.794) C23.2 v1(31.354,3.668)
  Top Layer w0.508: v1(5.872,27.828) R3.2 ; IC3.1 v1(8.356,12.99) ; v1(13.105,13.591) L1.1@13.605,13.591 ; v1(13.759,11.662) 13.759,12.162 C5.2 L1.1 ; R4.2 v1(14.986,21.448) ; v1(15.075,11.692) C4.2 ; C10.2 v1(15.748,16.256) ; C20.2 15.113,8.621 15.113,7.127 C21.2 15.098,4.587 15.367,4.318 16.046,3.639 17.047,3.639 R5.2 ; C2.2 v1(23.226,23.114) ; v1(24.503,21.471) 24.507,21.467 R2.2 ; v1(25.391,28.56) IC1.8@26.265,28.56 ; v1(25.777,18.375) C9.2 ; v1(26.755,23.891) IC1.5 ; v1(33.528,10.668) R15.2 35.672,9.794 36.83,8.636 37.268,8.636 37.272,8.632 Q1.2 37.272,8.555 37.276,8.551 39.053,8.551 C24.2
  other v1: 11.064,2.791 11.636,2.791 12.207,2.791 12.779,2.791 13.35,2.791 11.064,3.383 11.636,3.383 12.207,3.383 12.779,3.383 13.35,3.383 11.064,3.976 11.636,3.976 12.207,3.976 12.779,3.976 13.35,3.976 11.064,4.569 11.636,4.569 12.207,4.569 12.779,4.569 13.35,4.569
XTAL_P: R1.1 U1.53 | length 4.1
  Top Layer w0.178: R1.1 19.682,17.118 U1.53
pads on no net: IC1.4 IC3.10 JP5.0 KEY.3 KEY.4 KEY.5 KEY.6 SW_LIE.1 SW_LIE.6 TYPEC_O.7 U1.9 U1.21 U1.22 U1.29 U1.30 U1.31 U1.32 U1.33 U1.34 U1.35 U1.36 U1.52 U1.55 USB_D.0 USB_D.A5 USB_D.A8 USB_D.B5 USB_D.B8 USB_O.2 USB_O.3 USB_O.7 USB_O.8 X1.1

## Polygon pours and split planes (outlines as drawn)
GND on Top Layer "GND_L01_P000" (solid, pour order 0): 50.292,15.24 15.748,15.24 15.748,6.096 16.256,5.588 16.256,0.508 50.292,0.508
GND on GND (split plane): 49.49,11.684 49.499,11.584 49.528,11.489 49.576,11.4 49.639,11.323 49.716,11.26 49.805,11.212 49.9,11.183 50,11.174 51.059,11.174 51.522,10.711 51.522,1.989 51.059,1.526 50,1.526 49.9,1.517 49.805,1.488 49.716,1.44 49.639,1.377 49.576,1.3 49.528,1.211 49.499,1.116 49.49,1.016 49.49,0.51 0.51,0.51 0.51,1.016 0.501,1.116 0.472,1.211 0.424,1.3 0.361,1.377 0.284,1.44 0.195,1.488 0.1,1.517 0,1.526 -1.059,1.526 -1.522,1.989 -1.522,10.711 -1.059,11.174 0,11.174 0.1,11.183 0.195,11.212 0.284,11.26 0.361,11.323 0.424,11.4 0.472,11.489 0.501,11.584 0.51,11.684 0.51,29.49 49.49,29.49
VDD33 on VDD33 (split plane): 49.49,11.684 49.499,11.584 49.528,11.489 49.576,11.4 49.639,11.323 49.716,11.26 49.805,11.212 49.9,11.183 50,11.174 51.059,11.174 51.522,10.711 51.522,1.989 51.059,1.526 50,1.526 49.9,1.517 49.805,1.488 49.716,1.44 49.639,1.377 49.576,1.3 49.528,1.211 49.499,1.116 49.49,1.016 49.49,0.51 0.51,0.51 0.51,1.016 0.501,1.116 0.472,1.211 0.424,1.3 0.361,1.377 0.284,1.44 0.195,1.488 0.1,1.517 0,1.526 -1.059,1.526 -1.522,1.989 -1.522,10.711 -1.059,11.174 0,11.174 0.1,11.183 0.195,11.212 0.284,11.26 0.361,11.323 0.424,11.4 0.472,11.489 0.501,11.584 0.51,11.684 0.51,29.49 49.49,29.49

## Keep-outs
Keep-Out Layer:
  the board outline again, w0.127

## Other copper
Top Layer:
  region net GND: 3.769,4.064 -0.762,4.064 -0.762,3.048 3.769,3.048
  region net GND: 3.769,9.652 -0.762,9.652 -0.762,8.636 3.769,8.636
  region net GND: 41.656,23.155 41.656,27.686 40.64,27.686 40.64,23.155
  region net GND: 40.64,23.155 40.64,27.686 39.624,27.686 39.624,23.155
  rectangle net GND: 39.665,11.43 44.196,12.446
  rectangle net GND: 39.665,13.208 44.196,14.224
  rectangle net GND: 45.507,8.636 50.038,9.652
  rectangle net GND: 44.491,3.048 49.022,4.064
  rectangle net GND: 39.37,22.86 41.656,28.702
  rectangle net VDD33: 10.668,2.286 13.716,5.842
  rectangle net VDD33: 11.684,3.556 12.752,7.366
  region net VDD33: 15.494,6.604 15.494,7.672 11.684,7.672 11.684,6.604
  region net LOUT+: 50.452,8.288 46.228,8.288 46.228,7.414 50.452,7.414
  region net LOUT+: 48.5,8.294 48.5,4.37 50.456,4.37 50.456,8.294
  region net LOUT+: 50.461,5.252 46.228,5.252 46.228,4.379 50.461,4.379
  rectangle net LOUT+: 37.201,15.712 40.838,17.332
  rectangle net SENSE+: -0.169,7.448 3.804,8.321
  region net SENSE+: 1.792,4.406 1.792,8.33 -0.164,8.33 -0.164,4.406
  rectangle net SENSE+: -0.16,4.412 3.813,5.286
Bottom Layer:
  rectangle net SENSE+: 6.858,19.812 8.382,23.876
  region net LOUT+: 48.5,8.294 48.5,4.37 50.456,4.37 50.456,8.294
  region net LOUT+: 50.56,4.406 50.56,8.33 48.604,8.33 48.604,4.406
  region net LOUT+: 40.988,17.476 37.064,17.476 37.064,15.52 40.988,15.52
  region net SENSE+: 1.792,4.406 1.792,8.33 -0.164,8.33 -0.164,4.406

## Silkscreen, mask and mechanical layers (free items; w line width, h text height)
Top Overlay:
  drawing of 1403 lines, arcs and shapes, not listed
  text "RES" at 6.732,25.282 h1.3
  text "BOOT" at 6.732,24.266 h1.3
  text "V2" at 37.211,20.447 h2.5 r90
  text "mPower" at 35.594,14.28 h2.5 r90
  text "20221114" at 24.157,0.35 h2
  text "+" at 44.069,0.054 h3
  text "-" at 31.625,-0.063 h3
Bottom Overlay:
  drawing of 1403 lines, arcs and shapes, not listed
  text "mPower V2" at 19.431,18.69 h3
  text "@firetaradmin" at 19.431,17.041 h2.5
  text "LOAD-" at 37.464,5.473 h1.8
  text "LOAD+" at 43.052,5.473 h1.8
Drill Drawing:
  text ".Lengend" at 56.263,32.495 h2.5

## Dimensions
8.5,28 to -0.318,30 on Mechanical 1
23,2 to 0,0 on Mechanical 1
50,30 to 48.038,27.972 on Mechanical 1
8.5,28 to 0,30 on Mechanical 1
50,30 to 53.34,26.924 on Mechanical 1
53.228,13.003 to 53.34,26.924 on Mechanical 1
50.761,11.277 to 53.228,13.003 on Mechanical 1
50.89,1.395 to 50.761,11.277 on Mechanical 1
0,1.016 to -3.302,1.016 on Mechanical 1
50,0 to 50.449,1.426 on Mechanical 1
50,0 to 53.301,1.635 on Mechanical 1
0,30 to 0,0 on Mechanical 1
0,30 to 50,30 on Mechanical 1

## Text inside footprints (layer, text, board x,y; h text height)
USB_O: Top Overlay "GND" at 42.242,23.83 h1.02; Top Overlay "D+" at 41.074,20.484 h1.02; Top Overlay "D-" at 41.074,18.452 h1.02; Top Overlay "VCC" at 41.505,15.274 h1.02